# Allegro board FH8858v310_app_board_v1.1.brd (continued)
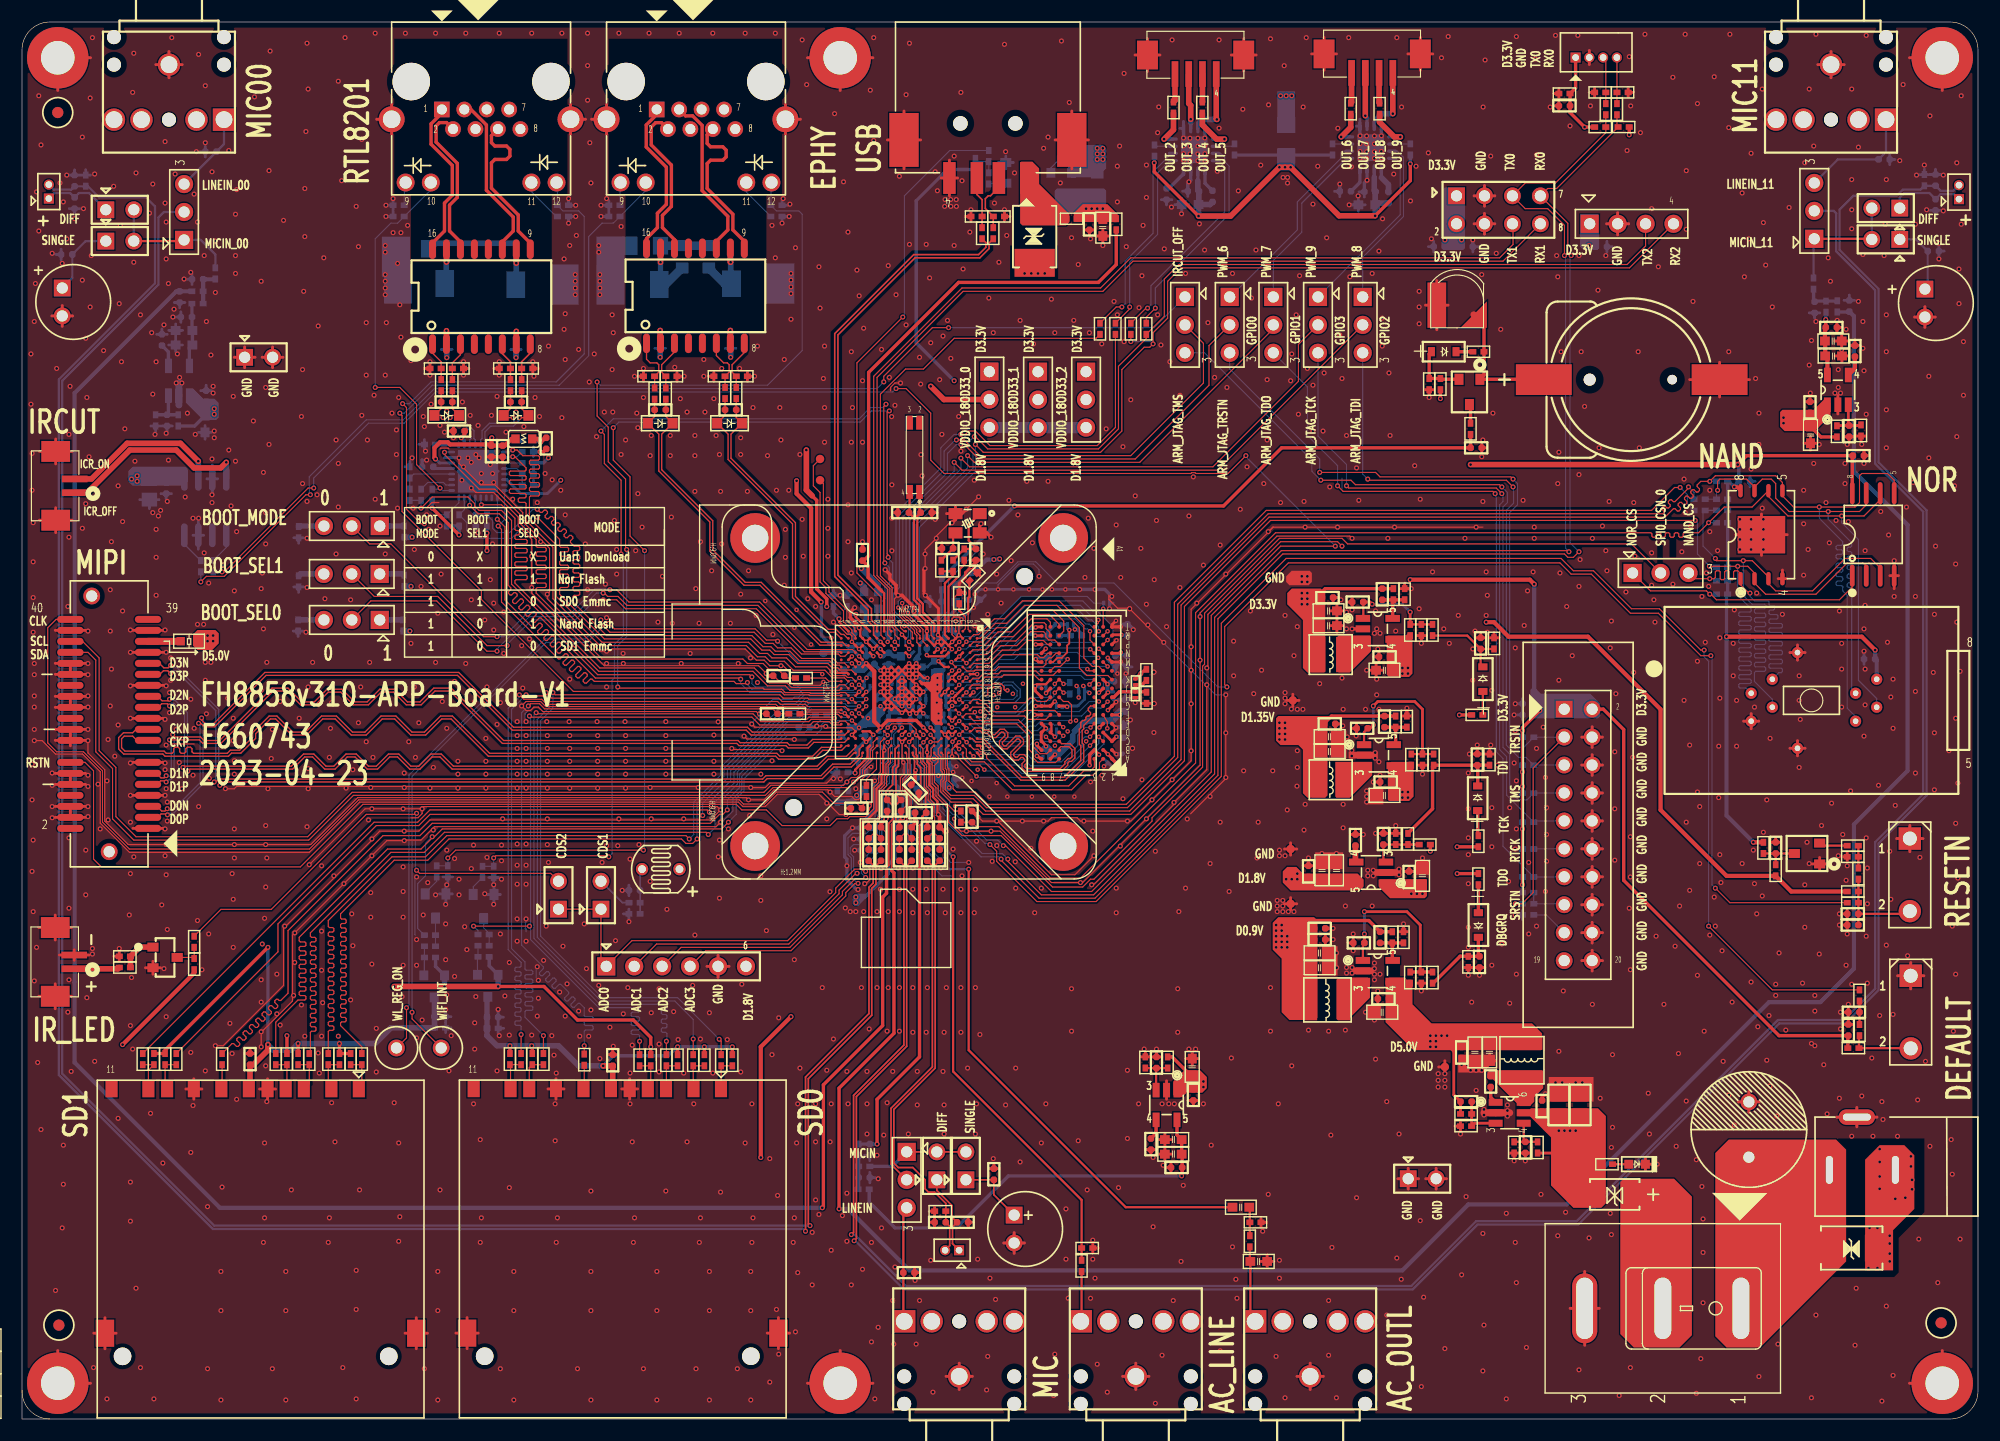
[diagram p0: board, top side]
## Routing (per net, layer and track width the routed paths; a pad name or vN(x,y) marks a point on that pad's centre or on a via; arc(x,y) is an arc through that point) (continued)
D5.0V: length 25.6
  TOP w0.254: 130.15,33.43 129.95,33.63 ; 130.15,33.43 130.15,33.73 ; 130.15,33.43 130.15,29.47 C8.1 R3.2 ; 130.15,33.43 130.33,33.61
  TOP w0.305: R123.1 v2(130.66,64.01) ; R21.1 v2(130.45,49.58) ; R105.1 104.54,32.92 106.22,31.24 C107.2 ; R18.1 v2(130.45,52.02) ; R10.1 v2(128.02,51.62) ; C120.2 163.52,89.28 R111.1
  TOP w0.381: v2(107.39,30.18) v2(107.39,30.68) 107.39,30.86 107.01,31.24 C107.2 106.48,31.14 C109.2 105.06,29.97 U11.1
  BOTTOM w0.305: R117.1 15.69,90.27 C133.2
  vias: v2(16.87,71.22) v2(16.87,70.71) v2(17.37,71.22) v2(17.37,70.71) v2(17.48,91.85) v2(17.48,91.34) v2(97.74,115.52) v2(97.74,115.01) v2(97.74,114.5) v2(98.25,115.52) v2(98.25,115.01) v2(98.25,114.5) v2(114.4,120.29) v2(114.91,120.29) v2(115.42,120.29) v2(125.48,68.28) v2(125.48,67.77) v2(125.48,57) v2(125.48,56.49) v2(125.98,68.28) v2(125.98,67.77) v2(125.98,57) v2(125.98,56.49) v2(126.29,47.75) v2(126.8,47.75) v2(127.3,47.75) v2(128.02,34.85) v2(128.02,34.34) v2(128.02,33.83) v2(128.52,34.85) v2(128.52,34.34) v2(128.52,33.83) v2(129.03,34.85) v2(129.54,34.85) v2(160.12,91.03) v2(160.12,90.53)
D12V: length 187.3
  TOP w0.102: 139.7,27.5 v2(139.7,26.21) 139.7,25.81
  TOP w0.254: R2.1 139.3,24.18 139.4,24.08
  L3 w1.524: v2(141.22,26.21) v2(140.72,26.21) v2(140.21,26.21) v2(139.7,26.21) 132.28,26.21 131.27,27.23 19.41,27.23 11.38,35.26 11.38,72.85 10.46,73.76 v2(10.46,85.24)
  vias: v2(9.96,85.45) v2(10.46,85.75)
GND: length 2517.6
  TOP w0.102: v1(77.18,59.28) 76.96,59.28 76.61,58.93 76.61,58.44 76.3,58.13 76.3,56.69 76.25,56.64 76.25,56.53 76.03,56.31 75.71,56.31 75.43,56.59 73.86,56.59 v2(73.46,57) 73.25,57.2 68.36,57.2 67.45,56.29 v2(66.04,56.29) 65.84,56.49 30.51,56.49 26.25,52.22 v2(22.15,52.22) v2(19.3,52.22) v2(13.11,52.22) 9.65,52.22 7.52,54.36 7.52,59.03 5.99,60.55 v2(5.99,61.67) ; v2(73.76,58.22) 73.56,58.22 73.15,57.81 67.97,57.81 67.56,57.4 v2(66.24,57.4) 66.14,57.51 19.51,57.51 19.29,57.29 18.5,57.29 v2(18.49,57.3) ; v2(113.28,80.67) 113.69,81.08 113.74,81.08 ; 102.89,65.01 v2(102.91,65.03) 102.89,65.03 102.87,65.06 ; v2(79.63,74.88) 79.3,74.55 79.3,72.09 79.99,71.4 v1(79.99,71.3) ; v2(65.63,62.08) 65.89,61.82 70.15,61.82 v2(70.21,61.77) ; U6.D2 84.53,71.3 84.53,72.73 84.7,72.9 ; 106.23,55.02 109.42,58.22 v2(109.42,58.32) v2(109.42,62.38) v2(109.42,65.84) ; v2(82.09,77.32) v2(82.09,78.64) 82.09,79.04 v2(83.11,80.06) 83.11,80.26 84.31,81.47 v2(84.53,81.47) ; v2(103.79,70.6) 103.75,70.6 v2(100.69,73.66) 100.63,73.71 99.59,73.71 98.79,74.51 98.79,74.9 ; 84.7,72.9 84.7,74.64 RR3.1 ; 84.7,72.9 85.19,72.9 v1(85.39,72.69) 85.39,72.29 85.16,72.05 v1(85.16,71.25) ; U6.V15 75.45,62.84 73.15,62.84 73.05,62.94 73.05,62.96 v2(73.05,62.96) 73.02,62.96 72.99,62.99 v2(72.24,62.99) 72.14,62.89 66.62,62.89 v2(66.33,63.18) ; v2(40.84,84.63) 41.25,84.23 42.88,84.23 45.11,81.99 45.11,81.18 46.33,79.96 v2(46.33,78.44) v2(46.33,75.59) 46.33,75.08 52.93,68.48 66.95,68.48 67.65,67.79 v2(67.65,67.77) ; v2(17.58,33.93) 18.29,33.93 23.77,39.42 23.77,44.6 31.8,52.63 v2(31.8,52.73) 32.51,53.44 v2(34.75,53.44) 36.07,53.44 37.08,54.46 62.59,54.46 v2(63.5,55.37) 63.2,55.68 36.37,55.68 36.17,55.47 ; v2(76.2,50.6) 76.5,50.29 76.81,50.29 77.07,50.03 77.07,49.03 76.71,48.67 v2(76.61,48.67) ; 36.17,55.47 v2(36.37,55.47) 36.37,55.04 36,54.66 35.36,54.66 ; 36.17,55.47 v2(34.65,55.47) v2(31.8,55.47) 31.19,55.47 v2(26.11,50.39) ; 38.81,88.19 38.73,88.27 38.07,88.27 38,88.19 ; v2(82.19,50.09) 81.84,50.44 81.84,53.34 C55.2 ; v1(73.86,63.7) 73.76,63.8 71.53,63.8 71.32,63.6 68.17,63.6 C178.2 v2(67.04,64.11) 66.95,64.11 66.75,64.31 47.35,64.31 46.94,64.72 46.53,64.72 46.23,64.41 45.82,64.41 v2(45.42,64.82) 45.82,65.23 47.14,65.23 47.6,64.77 68.43,64.77 68.64,64.56 71.05,64.56 71.35,64.26 74.27,64.26 74.38,64.15 v1(74.79,64.15) ; v2(64.52,60.96) 64.62,60.86 68.99,60.86 v2(69.09,60.76) ; v1(84.73,54.56) 84.73,54.05 85.34,53.44 v2(85.85,53.44) v2(88.09,53.44) 88.9,53.44 93.57,48.77 v2(96.22,48.77) 96.42,48.77 v2(102.21,54.56) 107.09,59.44 v2(107.09,68.99) v2(107.09,72.95) 107.09,73.28 114.07,80.26 120.7,80.26 v2(120.9,80.06) ; 15.65,61.37 13.61,61.37 ; C179.1 68.33,67.56 68.78,67.11 69.74,67.11 70.15,66.71 72.55,66.71 v1(72.85,67.01) ; v2(63.5,54.25) 63.09,53.85 37.49,53.85 36.27,52.63 34.8,52.63 v2(34.75,52.58) 33.17,52.58 v2(31.8,51.21) v2(29.26,48.67) v2(24.79,44.2) 24.59,43.99 24.59,38 21.74,35.15 v2(21.74,33.83) ; v1(72.75,67.72) 72.75,67.77 72.64,67.87 69.8,67.87 69.19,68.48 v2(68.99,68.48) 67.97,68.48 67.46,68.99 66.75,68.99 65.74,70 53.64,70 53.44,69.8 v2(53.14,69.8) 52.53,69.8 47.75,74.57 v2(47.75,74.98) 47.96,75.18 47.96,79.15 45.52,81.58 45.52,82.4 42.98,84.94 41.66,84.94 39.73,86.87 v2(39.73,87.38) ; C67.2 79.76,53.8 79.27,53.31 79.27,50.47 v2(79.65,50.09) ; v2(78.08,50.04) 78.53,50.49 78.53,53.35 C60.2 ; 113.74,81.08 106.27,73.61 v2(106.27,70.21) v2(106.27,68.07) v2(106.27,65.02) v2(106.27,60.74) 106.27,59.84 v2(104.55,58.12) v2(102.72,56.29) 100.79,54.36 v2(100.48,54.36) v2(96.52,54.36) 96.22,54.36 95.91,54.66 93.57,54.66 93.27,54.36 v2(92.86,54.36) v2(90.93,54.36) 88.7,54.36 ; 113.74,81.08 v2(116.64,81.08) v2(119.58,81.08) v2(124.76,81.08) v2(132.18,81.08) 132.79,81.08 ; C177.2 85.8,55.83 84.94,55.83 84.84,55.73 v1(84.82,55.73) ; v2(80.98,50.09) 81.33,50.44 81.33,53.34 C70.2 ; v2(1.12,61.67) 1.83,61.67 3.05,60.45 5.5,60.45 7.11,58.84 7.11,54.17 9.77,51.51 26.11,51.51 30.68,56.08 65.11,56.08 65.49,55.7 67.57,55.7 68.66,56.79 72.44,56.79 73.15,56.08 v2(73.15,55.98) 73.25,55.98 74.29,54.95 v2(74.89,54.95) 75.01,55.07 76.71,55.07 77.03,55.39 v2(77.03,55.76) 77.22,55.95 77.22,57.71 v1(77.52,58.01) ; v1(86.92,54.74) 87.3,54.36 v2(88.6,54.36) 88.7,54.36 ; U6.N11 79,65.12 v1(78.69,64.8) ; 88.7,54.36 93.57,49.48 95.71,49.48 v2(97.43,51.21) ; 78.94,93.47 78.94,93.78 79.35,94.18 79.65,94.18 ; v2(119.99,79.35) 119.58,79.76 114.4,79.76 107.8,73.15 107.8,68.48 107.7,68.38 v2(107.7,68.28) ; v1(80,61.55) 80,59.8 v1(80.11,59.69) 80.18,59.62 80.18,58.64 79.86,58.32 79.86,57.05 80.37,56.54 80.37,55.73 C71.2 ; v1(75.44,70.65) 75.44,71.17 75.27,71.34 75,71.34 74.1,72.24 73.96,72.24 v2(73.76,72.44) ; v2(107.7,66.75) 107.7,59.03 v2(104.72,56.05) 104.7,56.04 104.7,55.87 97.4,48.56 v2(97.23,48.56) ; 37.9,83.31 37.26,83.31 36.78,82.83 ; v1(81.28,62.18) 81.28,62.69 80.76,63.2 79.05,63.2 78.7,62.85 v1(78.69,62.85) ; v2(85.84,82.72) v2(86.95,83.84) ; v2(83.52,50.09) 83.87,50.44 83.87,53.34
  TOP w0.127: v1(84.54,60.24) 84.54,60.89 U6.D17
  TOP w0.203: 83.92,70.61 83.87,70.61 U6.F3 v1(83.24,70.65) ; 83.92,70.61 U6.E3 ; 83.92,70.61 U6.F2 ; v1(78.69,66.1) 78.69,66.1 ; v1(78.69,66.1) 78.7,66.1 U6.N9 v1(78.69,66.75) ; v1(78.69,66.1) U6.P9 ; 78.69,66.1 U6.N10 U6.P11 U6.N12 79.26,64.7 79.43,64.7 ; 78.69,66.1 78.69,66.08 U6.P10 ; U6.K7 80.97,67.73 v1(81.29,68.05) ; U6.K7 v1(80.64,68.05) U6.L6 ; U6.K7 80.95,67.72 v1(80.64,67.4) ; U6.K7 v1(81.29,67.4) ; v1(76.09,70) 76.4,70.32 U6.U3 ; v1(76.09,70) U6.U4 ; v1(76.09,70) U6.V3 v1(75.44,70.65) ; v1(78.69,68.05) 78.37,67.73 U6.P7 ; v1(78.69,68.05) U6.P6 78.35,68.37 v1(78.04,68.05) U6.P7 ; v1(78.69,68.05) 79,68.37 U6.N6 U6.M7 ; v1(78.69,68.05) U6.N7 ; v1(81.29,68.05) 81.6,68.37 U6.J6 v1(81.29,68.7) 80.97,68.38 U6.K6 ; v1(81.29,68.05) U6.J7 ; v1(81.29,68.05) U6.K6 ; U6.L6 U6.M7 ; U6.L6 80.32,68.38 v1(80.64,68.7) U6.K6 ; U6.M7 79.33,67.38 ; U6.N8 v1(78.69,67.4) ; U6.N8 79.33,67.38 ; U6.N8 78.7,66.75 v1(78.69,66.75) ; v1(78.69,67.4) 79,67.72 U6.N7 ; v1(78.69,67.4) U6.P7 ; v1(78.69,67.4) 78.69,67.38 U6.P8 ; U6.V16 v1(75.44,62.2) 75.45,62.2 U6.V15 ; U6.E9 84.22,66.41 v1(83.9,66.09) U6.F10 ; v2(76.2,50.6) 76.4,50.8 76.4,54.2 v2(76.56,54.36) 76.71,54.36 77.67,55.32 77.67,57.3 78.13,57.76 78.13,58.57 78.28,58.72 78.28,60.68 v1(78.38,60.78) 78.37,60.8 U6.P17 ; U6.L2 v1(79.99,71.3) ; U6.J7 81.98,67.36 v1(82.3,67.36) ; U6.J7 81.6,67.72 v1(81.29,67.4) ; v1(81.29,66.75) 80.97,66.43 U6.K9 v1(81.29,66.1) ; v1(81.29,66.75) U6.J9 ; v1(81.29,66.75) U6.K8 ; U6.C2 85.23,71.25 v1(85.16,71.25) U6.D2 v1(84.55,70.64) U6.E3 ; U6.P9 v1(78.04,66.75) 78.35,67.07 U6.P8 ; U6.P9 78.35,66.42 v1(78.04,66.1) U6.P10 ; U6.P9 78.69,66.73 v1(78.69,66.75) ; v2(76.1,71.93) 76.1,71.93 76.2,71.83 76.2,71.19 U6.U2 v1(76.74,70.65) ; v1(84.54,67.39) 84.87,67.72 U6.D7 84.87,67.72 v1(85.19,68.04) ; v1(84.54,67.39) 84.86,67.07 U6.D8 ; v1(84.54,67.39) 84.22,67.07 U6.E8 ; v1(81.29,66.1) U6.J10 81.62,65.78 v1(81.94,66.1) U6.J9 ; v1(81.29,66.1) 81.6,66.42 U6.J9 ; 79.43,64.7 U6.M12 79.94,64.2 v1(79.99,64.2) 80.05,64.2 U6.L12 80.33,64.47 v1(80.7,64.1) 80.7,64.19 U6.K12 v1(81.29,64.15) 81.6,64.47 U6.J12 ; 79.43,64.7 U6.N11 ; U6.H17 v1(82.27,60.6) 82.3,60.58 82.3,59.74 82.48,59.56 82.48,57.63 82.82,57.29 82.82,56.54 83.21,56.15 83.21,55.04 v2(83.3,54.95) ; U6.L7 U6.M6 U6.N7 ; U6.L7 v1(80.64,67.4) ; U6.L7 U6.K6 ; U6.E3 84.53,70 v1(84.53,69.99) ; v1(82.26,71.63) 82.26,70.98 U6.H2 U6.G3 82.92,70.33 v1(83.24,70.65) ; v1(76.74,70.65) U6.T3 v1(77.39,70) 77.7,70.32 U6.R3 ; v1(76.74,70.65) 77.05,70.97 U6.T2 ; v1(87.27,61.01) 87.27,61.01 87.07,61.22 U6.A17 ; v1(78.69,66.75) 78.69,66.75 U6.P8 ; U6.P8 v1(78.04,67.4) 78.35,67.72 U6.P7 ; v1(73.95,67.93) 74.05,67.83 75,67.83 U6.W7 ; 79.33,67.38 79.33,67.4 U6.N7 ; U6.A1 86.82,71.9 v2(86.6,72.11) ; U6.J12 v1(81.94,64.15) ; U6.J12 81.62,64.48 v1(81.94,64.8) U6.J11 ; v1(83.9,62.2) 84.22,61.88 U6.E16 83.9,62.19 v1(83.9,62.2) ; v1(83.9,62.2) 83.91,62.2 U6.E15 84.53,62.2 v1(84.56,62.2) 84.56,62.2 U6.D15 ; v1(83.9,62.2) 83.88,62.2 U6.F15 ; U6.C12 v1(85.85,64.8) ; U6.D13 v1(84.55,63.49) U6.E13 ; U6.W5 75.43,69.33 v1(75.44,69.33) ; U6.P10 U6.N11 ; v1(85.85,62.8) 85.85,62.84 U6.C14 ; U6.V10 76.09,66.08 v1(76.09,66.1) ; U6.K8 80.97,67.08 v1(81.29,67.4) ; U6.K8 v1(80.64,67.4) ; 84.87,61.22 U6.D17 ; 84.87,61.22 v1(85.18,60.9) ; 84.87,61.22 v1(85.18,61.53) ; U6.C4 85.19,69.34 v1(85.19,69.32) 85.18,69.3 85.16,69.3 U6.D5 ; v1(81.28,62.18) 81.31,62.18 U6.J16 ; v1(87.17,60.3) 87.09,60.3 U6.A18 ; U6.N11 U6.P12 ; v1(93.89,62.01) 93.49,62.41 UR1.D8 93.57,62.51 93.57,63.11 93.48,63.21 UR1.E8 ; v1(83.24,70.65) 83.55,70.97 U6.F2 ; U6.B10 86.47,66.07 v1(86.49,66.07) ; U6.T16 76.75,61.55 v1(76.74,61.55) 76.74,61.55 U6.U16 ; U6.D11 v1(84.55,65.44) ; v1(84.55,65.44) U6.E11 ; v1(84.55,65.44) U6.D10 U6.C9 ; U6.M16 79.99,61.55 v1(80,61.55) U6.L16 ; v1(83.26,71.27) U6.F2 ; U6.B7 v1(86.82,67.72) ; U6.W13 v1(74.79,64.15)
  TOP w0.254: 146.98,23.17 D3.K ; D3.K 147.57,23.75 ; D3.K 147.57,22.58 ; D3.K 148.15,23.17 ; 161.39,60.29 U14.10 ; U14.10 161.39,61.67 ; U14.10 162.08,60.98 ; U14.10 160.71,60.98 ; J2.3 143.37,10.06 ; J2.3 140.73,10.06 ; J2.3 142.05,13.41 ; J2.3 142.05,6.71 ; C20.1 120.91,74.75 ; C20.1 120.91,73.79 ; C20.1 120.43,74.27 ; 166.79,26.57 J1.3 ; J1.3 166.79,28.32 ; J1.3 164.96,27.44 ; J1.3 168.62,27.44 ; 1.53,44.68 J13.CG2 ; J13.CG2 3.02,43.55 ; J13.CG2 3.02,45.81 ; J13.CG2 4.51,44.68 ; 142.72,61.05 U18.4 ; U18.4 142.72,62.93 ; U18.4 141.78,61.99 ; U18.4 143.66,61.99 ; D14.A 86.26,109.75 ; D14.A 86.26,108.89 ; D14.A 85.76,109.32 ; C26.1 123.45,58.39 ; C26.1 122.97,57.91 ; C26.1 123.45,57.43 ; D9.A 146,121.03 ; D9.A 146.5,120.6 ; D9.A 146,120.17 ; J17.14 70.75,118.16 ; J17.14 69.39,116.8 ; J17.14 69.39,119.52 ; 84.85,82.99 U7.2 84.04,82.31 ; 151.59,94.49 BT1.2 ; BT1.2 154.31,92.91 ; BT1.2 157.03,94.49 ; BT1.2 154.31,96.06 ; 128.78,32 T2.1 ; T2.1 129.34,32.56 ; T2.1 129.34,31.44 ; 165.91,50.68 R173.1 ; R173.1 165.41,51.11 ; R173.1 165.91,51.54 ; J3.6 5.77,55.7 ; J3.6 3.02,55.7 ; J3.6 4.39,55.2 ; 123.09,67.49 C11.1 ; C11.1 123.71,68.07 ; C11.1 122.47,68.07 ; C11.1 123.09,68.66 ; J18.14 49.86,119.52 ; J18.14 51.22,118.16 ; J18.14 49.86,116.8 ; J14.5 64.27,41.15 ; J14.5 63.27,42.15 ; J14.5 63.27,40.15 ; J14.5 62.26,41.15 ; C116.2 86.49,17.88 ; C116.2 86.01,17.4 ; C116.2 86.01,18.36 ; 100.05,3.88 CN4.5 ; CN4.5 101.24,2.68 ; CN4.5 102.44,3.88 ; CN4.5 101.24,5.07 ; 10.08,59.7 J3.13 12.83,59.7 ; 65.94,94.36 D24.K ; D24.K 65.94,95.23 ; D24.K 66.43,94.79 ; U14.4 157.87,63.44 ; U14.4 157.18,62.75 ; U14.4 156.5,63.44 ; U14.4 157.18,64.13 ; U14.9 162.08,69.68 ; U14.9 161.39,68.99 ; U14.9 161.39,70.37 ; U14.9 160.71,69.68 ; 11.9,40.44 Q3.2 ; Q3.2 11.9,41.61 ; Q3.2 11.22,41.02 ; Q3.2 12.59,41.02 ; 82.95,17.4 C117.2 ; C117.2 82.95,18.36 ; C117.2 82.48,17.88 ; RR2.1 87.19,77.26 ; RR2.1 86.53,77.22 ; RR2.1 87.14,76.61 ; 79.13,82.4 C81.1 ; C81.1 79.61,82.88 ; C81.1 79.61,81.92 ; C118.1 103.6,32.92 ; C118.1 103.12,33.39 ; C118.1 102.65,32.92 ; 159.64,76.39 U10.4 ; U10.4 160.02,77.18 ; U10.4 160.4,76.39 ; J21.CG2 81.69,116.28 ; J21.CG2 80.18,113.65 ; J21.CG2 78.66,116.28 ; J21.CG2 80.18,118.91 ; 120.73,53.14 C24.2 ; C24.2 121.69,53.14 ; C24.2 121.21,53.62 ; 115.9,3.88 CN5.5 ; CN5.5 117.09,5.07 ; CN5.5 118.29,3.88 ; CN5.5 117.09,2.68 ; 3.06,86.83 J15.CG2 ; J15.CG2 1.58,87.96 ; J15.CG2 4.55,87.96 ; J15.CG2 3.06,89.09 ; 75.34,55.05 C52.1 74.86,55.52 ; 131.04,41.05 R22.2 ; R22.2 131.91,41.05 ; R22.2 131.47,40.55 ; 105.79,32.77 C107.1 ; C107.1 106.38,33.39 ; C107.1 106.38,32.14 ; C107.1 106.96,32.77 ; 119.52,72.88 C14.2 ; C14.2 119.52,74.05 ; C14.2 120.15,73.47 ; C14.2 118.9,73.47 ; C124.2 166.03,98 ; C124.2 165.41,97.42 ; C124.2 165.41,98.59 ; C124.2 164.79,98 ; UR1.F9 v1(92.05,64.01) ; J5.8 15.62,30.93 ; J5.8 15.62,29.07 ; J5.8 16.35,30 ; J5.8 14.89,30 ; C147.2 113.81,14.33 ; C147.2 113.18,13.74 ; C147.2 112.56,14.33 ; C147.2 113.18,14.91 ; UR1.E1 v1(99.45,62.84) 99.45,62.79 UR1.D1 ; 71.4,3.25 T20.1 ; T20.1 77.34,3.25 ; T20.1 74.37,6.22 ; U18.14 142.72,50.23 ; U18.14 142.72,48.35 ; U18.14 143.66,49.29 ; U18.14 141.78,49.29 ; J20.CG2 127.11,125.59 ; J20.CG2 127.11,122.61 ; J20.CG2 125.98,124.1 ; J20.CG2 128.24,124.1 ; 165.06,93.05 U12.2 165.06,91.37 ; 1.58,81.71 J15.CG1 ; J15.CG1 4.55,81.71 ; J15.CG1 3.06,82.84 ; J15.CG1 3.06,80.58 ; D13.K 89.31,109.75 ; D13.K 89.31,108.89 ; D13.K 89.8,109.32 ; 51.78,118.16 J17.13 ; J17.13 53.13,119.52 ; J17.13 53.13,116.8 ; J3.18 5.77,61.7 ; J3.18 4.39,61.2 ; J3.18 4.39,62.19 ; J3.18 3.02,61.7 ; J5.5 22.32,30.93 ; J5.5 23.05,30 ; J5.5 22.32,29.07 ; J5.5 21.59,30 ; R106.1 102.54,32.92 ; R106.1 102.11,33.42 ; R106.1 101.68,32.92 ; 132.94,110.26 U15.3 ; U15.3 132.94,112.14 ; U15.3 133.88,111.2 ; U15.3 132,111.2 ; 81.99,75.29 81.99,75.01 v2(82.12,74.88) 83.31,73.69 83.31,71.32 v1(83.26,71.27) ; 84.3,111.19 J21.4 ; J21.4 84.3,114.44 ; J21.4 83.55,112.82 ; J21.4 85.05,112.82 ; C122.1 162.53,92.96 ; C122.1 163.01,92.48 ; C122.1 162.05,92.48 ; 171.68,39.1 S1.1 ; S1.1 172.88,40.29 ; S1.1 171.68,41.49 ; S1.1 170.49,40.29 ; 131.8,60.45 C32.2 ; C32.2 132.76,60.45 ; C32.2 132.28,60.93 ; C18.1 126.09,50.26 ; C18.1 125.61,49.78 ; C18.1 126.56,49.78 ; T6.1 115.88,51.82 ; T6.1 115.32,51.26 ; T6.1 115.32,52.38 ; T6.1 114.76,51.82 ; D21.K 59.54,95.23 ; D21.K 60.03,94.79 ; D21.K 59.54,94.36 ; 127.63,39.62 R25.1 126.77,39.62 ; C158.2 97.51,108.1 ; C158.2 96.55,108.1 ; C158.2 97.03,107.62 ; 48.54,29.08 J4.8 ; J4.8 47.81,30.01 ; J4.8 49.27,30.01 ; J4.8 48.54,30.94 ; 39.44,7.81 J4.15 ; J4.15 40.46,6.4 ; J4.15 41.47,7.81 ; J4.15 40.46,9.22 ; 103.26,25.4 C110.2 ; C110.2 103.89,24.82 ; C110.2 104.51,25.4 ; C110.2 103.89,25.98 ; C128.2 167.09,97.59 ; C128.2 166.61,98.07 ; C128.2 166.14,97.59 ; 165.54,35.87 C160.2 ; C160.2 166.49,35.87 ; C160.2 166.01,36.35 ; v1(93.88,65.23) 93.48,64.83 UR1.G8 UR1.G9 v1(92.15,64.81) ; v1(98.71,64.44) UR1.G1 v1(99.45,65.19) ; 3.02,58.7 J3.12 ; J3.12 4.39,58.2 ; J3.12 5.77,58.7 ; 103.26,24.08 C111.2 ; C111.2 103.89,24.66 ; C111.2 104.51,24.08 ; C111.2 103.89,23.49 ; U18.10 143.66,54.37 ; U18.10 142.72,53.43 ; U18.10 141.78,54.37 ; U18.10 142.72,55.31 ; 141.78,46.75 U18.16 ; U18.16 142.72,47.69 ; U18.16 143.66,46.75 ; U18.16 142.72,45.81 ; J18.13 33.6,119.52 ; J18.13 32.24,118.16 ; J18.13 33.6,116.8 ; 133.4,33.19 C6.2 133.99,32.56 ; 55.99,94.79 D18.K ; D18.K 56.49,95.23 ; D18.K 56.49,94.36 ; 6.22,123.75 T17.1 3.25,120.78 ; C102.2 132.69,88.77 ; C102.2 132.69,87.81 ; C102.2 133.17,88.29 ; 8.35,42.06 R134.2 ; R134.2 8.84,42.49 ; R134.2 8.84,41.63 ; R4.1 136.07,24.18 ; R4.1 135.2,24.18 ; R4.1 135.63,23.68 ; 128.34,93.57 R63.1 127.48,93.57 ; C23.1 123.75,53.71 ; C23.1 124.23,53.24 ; C23.1 123.27,53.24 ; C15.2 120.15,72.12 ; C15.2 119.52,72.71 ; C15.2 119.52,71.54 ; C15.2 118.9,72.12 ; J4.16 68.76,9.22 ; J4.16 67.74,7.81 ; J4.16 69.77,7.81 ; J4.16 68.76,6.4 ; 83.14,79.15 C80.1 ; C80.1 83.62,78.67 ; C80.1 83.62,79.62 ; UR1.B9 92.25,61.24 v1(92.25,61.38) ; 104.04,30.74 U11.2 104.04,29.06 ; T8.1 116.08,65.33 ; T8.1 115.52,65.89 ; T8.1 115.52,64.77 ; T8.1 114.96,65.33 ; 12.83,66.7 J3.27 10.08,66.7 ; 35.84,6.39 J5.16 ; J5.16 35.84,9.21 ; J5.16 34.82,7.8 ; J5.16 36.86,7.8 ; 167.44,87.1 C100.1 ; C100.1 167.92,87.58 ; C100.1 167.44,88.06 ; 166.01,36.5 C161.2 ; C161.2 165.53,36.98 ; C161.2 166.01,37.46 ; BT2.2 129.63,101.26 ; BT2.2 128.61,99.02 ; BT2.2 128.61,103.49 ; BT2.2 127.58,101.26 ; C10.1 137.13,24.18 ; C10.1 136.65,23.71 ; C10.1 136.17,24.18 ; 62.89,94.36 D22.K ; D22.K 62.39,94.79 ; D22.K 62.89,95.23 ; v1(97.94,62.87) 97.94,62.87 UR1.E2 ; J20.CG1 119.49,124.1 ; J20.CG1 118.36,122.61 ; J20.CG1 117.23,124.1 ; J20.CG1 118.36,125.59 ; JP5.2 23.72,96.52 ; JP5.2 21.84,96.52 ; JP5.2 22.78,95.58 ; JP5.2 22.78,97.46 ; U22.1 164.09,50.46 ; U22.1 163.41,49.87 ; U22.1 163.41,51.04 ; U22.1 162.72,50.46 ; 141.78,56.91 U18.8 ; U18.8 142.72,57.85 ; U18.8 143.66,56.91 ; U18.8 142.72,55.97 ; J3.20 5.77,62.7 ; J3.20 4.39,62.2 ; J3.20 3.02,62.7 ; 39.22,90.29 C174.2 38.74,89.81 ; 142.47,123.14 J12.2 142.47,124.41 ; J3.4 5.77,54.7 ; J3.4 3.02,54.7 ; J3.4 4.39,55.19 ; 85.19,2.68 CN1.5 ; CN1.5 85.19,5.07 ; CN1.5 86.39,3.88 ; CN1.5 84,3.88 ; JP4.2 129.49,21.84 ; JP4.2 128.54,20.9 ; JP4.2 127.6,21.84 ; JP4.2 128.54,22.78 ; J21.CG1 96.94,116.28 ; J21.CG1 93.91,116.28 ; J21.CG1 95.43,113.65 ; J21.CG1 95.43,118.91 ; 76.96,54.28 C64.2 76.48,53.8 ; S2.1 172.8,52.77 ; S2.1 171.6,53.96 ; S2.1 170.41,52.77 ; S2.1 171.6,51.57 ; 10.08,63.7 J3.21 12.83,63.7 ; D10.A 142.95,121.03 ; D10.A 142.46,120.6 ; D10.A 142.95,120.17 ; JP5.1 20.24,97.46 ; JP5.1 21.18,96.52 ; JP5.1 19.3,96.52 ; JP5.1 20.24,95.58 ; C172.2 43.15,87.48 ; C172.2 42.67,87 ; C172.2 42.19,87.48 ; J3.10 4.39,58.19 ; J3.10 3.02,57.7 ; J3.10 5.77,57.7 ; C200.2 132.59,71.5 ; C200.2 133.07,71.02 ; C200.2 132.11,71.02 ; J13.CG1 3.02,39.56 ; J13.CG1 3.02,37.3 ; J13.CG1 4.51,38.43 ; J13.CG1 1.53,38.43 ; U9.4 170.18,77.85 ; U9.4 169.79,76.67 ; U9.4 170.57,76.67 ; U9.4 170.18,75.48 ; 12.83,71.7 J3.37 10.08,71.7 ; UR1.M9 92.41,68.81 92.15,69.07 v1(92.15,69.09) ; v1(92.15,70.41) UR1.P9 ; v1(99.49,70.79) 99.45,70.79 UR1.P1 ; C162.2 159.89,52.43 ; C162.2 159.41,52.91 ; C162.2 158.93,52.43 ; C108.2 88.82,22.76 ; C108.2 87.86,22.76 ; C108.2 88.34,23.24 ; J4.5 55.24,30.94 ; J4.5 55.24,29.08 ; J4.5 55.97,30.01 ; J4.5 54.51,30.01 ; 20.25,33.23 C105.2 ; C105.2 21.2,33.23 ; C105.2 20.73,33.7 ; 103.96,22.86 C112.2 ; C112.2 104.44,22.38 ; C112.2 104.44,23.34 ; 101.6,65.58 CR15.2 100.81,65.58 ; R19.2 133.83,60.45 ; R19.2 132.97,60.45 ; R19.2 133.4,60.95 ; v1(98.69,69.2) UR1.M1 99.85,68.81 v1(99.87,68.83) ; 6.22,3.25 T21.1 3.25,6.22 ; 125.68,75.99 R9.1 125.25,75.49 ; 119.66,74.68 C16.2 119.18,74.2 ; 43.69,87 C173.2 43.21,87.48 ; R126.2 133.81,71.51 ; R126.2 133.37,71.02 ; R126.2 134.24,71.02 ; CN3.5 13.36,124.32 ; CN3.5 13.36,121.93 ; CN3.5 12.17,123.12 ; CN3.5 14.55,123.12 ; U18.20 142.72,42.61 ; U18.20 142.72,40.73 ; U18.20 143.66,41.67 ; U18.20 141.78,41.67 ; 126.87,59.43 R17.1 ; R17.1 127.73,59.43 ; R17.1 127.3,58.94 ; 12.83,56.7 J3.7 10.08,56.7 ; J10.2 3.66,101.22 ; J10.2 2.72,100.28 ; J10.2 4.6,100.28 ; J10.2 3.66,99.34 ; 115.32,46.28 T10.1 ; T10.1 115.32,47.4 ; T10.1 114.76,46.84 ; T10.1 115.88,46.84 ; 132,108.66 U15.4 ; U15.4 132.94,107.72 ; U15.4 133.88,108.66 ; U15.4 132.94,109.6 ; D8.K 139.7,120.93 ; D8.K 139.2,120.5 ; D8.K 139.7,120.07 ; 165.61,89.3 C131.1 ; C131.1 166.56,89.3 ; C131.1 166.09,88.82 ; C123.2 166.06,96.64 ; C123.2 165.43,96.05 ; C123.2 164.81,96.64 ; C123.2 165.43,97.22 ; D28.K 43.38,95.94 ; D28.K 43.38,95.07 ; D28.K 42.89,95.5 ; C125.2 165.46,99.24 ; C125.2 164.98,99.72 ; C125.2 164.98,98.76 ; J5.15 7.54,9.21 ; J5.15 7.54,6.39 ; J5.15 6.52,7.8 ; J5.15 8.56,7.8 ; 106,28.96 C109.1 ; C109.1 106.48,28.48 ; C109.1 106.96,28.96 ; D27.K 40.63,95.5 ; D27.K 40.13,95.07 ; D27.K 40.13,95.94 ; 109.92,124 J19.CG2 ; J19.CG2 111.05,122.51 ; J19.CG2 112.19,124 ; J19.CG2 111.05,125.48 ; 123.24,38.68 C35.1 123.24,37.72 ; 121.01,42.8 C41.1 ; C41.1 120.53,43.28 ; C41.1 121.01,43.76 ; U18.6 143.66,59.45 ; U18.6 142.72,60.39 ; U18.6 142.72,58.51 ; U18.6 141.78,59.45 ; C159.2 98.83,107.54 ; C159.2 98.25,106.92 ; C159.2 97.66,107.54 ; C159.2 98.25,108.17 ; 117.42,50.29 C22.2 116.46,50.29 ; CN2.5 165.63,123.12 ; CN2.5 164.44,124.32 ; CN2.5 163.25,123.12 ; CN2.5 164.44,121.93 ; JP4.1 126.95,21.84 ; JP4.1 126,20.9 ; JP4.1 125.06,21.84 ; JP4.1 126,22.78 ; v1(93.08,65.99) 93.08,66.02 UR1.J8 ; 5.77,71.7 J3.38 3.02,71.7 ; C31.1 121.31,63.27 ; C31.1 121.31,62.31 ; C31.1 120.83,62.79 ; 156.97,27.89 C3.2 ; C3.2 156.03,28.83 ; C3.2 157.91,28.83 ; C3.2 156.97,29.77 ; J3.30 5.77,67.7 ; J3.30 4.39,68.19 ; J3.30 3.02,67.7 ; v2(81.05,73.44) 81.05,73.43 81.08,73.41 81.08,73.15 82.26,71.97 v1(82.26,71.63) ; 119.86,63.2 C30.2 119.38,62.72 ; C103.2 54.17,33.12 ; C103.2 53.22,33.12 ; C103.2 53.7,33.6 ; 130.26,26.62 R5.1 ; R5.1 130.76,26.19 ; R5.1 130.76,27.05 ; C12.1 123.34,69.77 ; C12.1 122.87,69.29 ; C12.1 123.34,68.81 ; 142.72,50.89 U18.12 ; U18.12 142.72,52.77 ; U18.12 141.78,51.83 ; U18.12 143.66,51.83 ; C33.2 132.96,41.04 ; C33.2 132.49,40.57 ; C33.2 132.01,41.04 ; 167.17,88.86 R112.1 ; R112.1 167.6,89.36 ; R112.1 166.74,89.36 ; 89.25,16 J6.2 ; J6.2 91.13,16 ; J6.2 90.19,16.94 ; J6.2 90.19,15.06 ; 144.04,108.66 J16.2 ; J16.2 145.04,107.65 ; J16.2 146.05,108.66 ; J16.2 145.04,109.66 ; C120.1 163.16,88.7 ; C120.1 161.99,88.7 ; C120.1 162.57,88.08 ; C120.1 162.57,89.33 ; v1(99.48,60.43) 99.46,60.43 UR1.B1 ; 36.59,95.5 D25.K ; D25.K 37.08,95.07 ; D25.K 37.08,95.94 ; C115.2 103.09,24.48 ; C115.2 102.14,24.48 ; C115.2 102.62,24 ; J3.24 5.77,64.7 ; J3.24 3.02,64.7 ; J3.24 4.39,65.19 ; 4.39,68.2 J3.32 ; J3.32 3.02,68.7 ; J3.32 5.77,68.7 ; 174.55,120.78 T19.1 171.58,123.75 ; 125.3,53.24 R11.1 124.44,53.24 ; C119.2 81.61,13.31 ; C119.2 81.13,13.79 ; C119.2 81.13,12.83 ; 155.78,80.39 U10.9 ; U10.9 160.45,80.39 ; U10.9 158.12,82.27 ; U10.9 158.12,78.51 ; 112.63,17.45 RF2.1 ; RF2.1 113.12,17.88 ; RF2.1 112.63,18.31 ; D29.K 46.93,95.5 ; D29.K 46.43,95.07 ; D29.K 46.43,95.94 ; 118.47,44.06 C39.2 118.47,43.11 ; UR1.J2 98.27,66.41 v1(97.89,66.03) ; 165.43,45.92 C163.2 ; C163.2 165.91,45.44 ; C163.2 165.91,46.4 ; UR1.B3 v1(97.9,60.4) ; J8.2 172.97,101.12 ; J8.2 172.03,100.18 ; J8.2 172.97,99.24 ; J8.2 173.91,100.18 ; 12.83,69.7 J3.33 10.08,69.7 ; 82.7,81.92 C79.1 ; C79.1 83.18,82.4 ; C79.1 82.7,82.88 ; UR1.T9 92.19,72.01 v1(92.14,71.97) ; 126.77,71.22 R8.1 ; R8.1 127.63,71.22 ; R8.1 127.2,70.72 ; v1(99.44,72.56) 99.08,72.2 UR1.T1 ; 86.24,78.08 C78.1 87.19,78.08 ; 4.39,65.2 J3.26 ; J3.26 3.02,65.7 ; J3.26 5.77,65.7 ; 101.17,124 J19.CG1 ; J19.CG1 102.31,125.48 ; J19.CG1 102.31,122.51 ; J19.CG1 103.44,124 ; U18.18 142.72,45.15 ; U18.18 141.78,44.21 ; U18.18 143.66,44.21 ; U18.18 142.72,43.27 ; 125.45,63.91 R16.1 126.32,63.91 ; J13.2 6.1,42.18 ; J13.2 3.4,42.18 ; J13.2 4.75,42.66 ; J13.2 4.75,41.7 ; R107.2 82.96,19.33 ; R107.2 82.46,18.9 ; R107.2 82.96,18.46 ; v2(86.3,77.48) 85.75,76.94 85.75,76.51 85.19,75.95 RR3.1 ; C148.2 139.7,119.86 ; C148.2 139.22,119.38 ; C148.2 139.7,118.9 ; v1(92.25,60.27) 92.33,60.27 92.59,60.01 UR1.A9 ; 125.15,44.3 R26.1 126.01,44.3 ; T18.1 77.34,123.75 ; T18.1 74.37,120.78 ; T18.1 71.4,123.75 ; R121.1 97.34,15.97 ; R121.1 97.34,15.11 ; R121.1 97.83,15.54 ; 165.91,44.43 C164.2 ; C164.2 165.91,45.39 ; C164.2 165.43,44.91 ; 10.08,53.7 J3.1 12.83,53.7 ; 101.79,65.06 RR9.1 102.89,65.06 v2(102.91,65.03) ; 171.58,3.25 T16.1 174.55,6.22
  TOP w0.305: v2(81.33,56.39) 81.53,56.59 C74.2 ; C71.2 79.91,54.79 v2(80.06,54.64) 80.04,54.64 79.76,54.36 C67.2 ; C171.2 47.4,87.94 v2(47.09,87.94) ; v2(75.69,73.76) 75.29,73.36 75.29,72.85 76.1,72.03 v2(76.1,71.93) ; C19.2 v2(118.16,51.41) ; C22.2 v2(116.94,51) ; RR2.1 86.84,76.94 v2(86.3,77.48) 86.72,77.9 C78.1 ; v2(88.09,80.16) 87.69,80.56 U7.4 87.05,81.28 v2(87.17,81.4) ; C2.2 138.18,29.26 v2(138.48,29.57) 139.64,29.57 C4.2 ; C60.2 78.08,54.1 v2(78.54,54.56) 78.64,54.66 C66.2 ; C21.2 v2(119.48,51.41) ; v2(78.46,77.21) 78.89,76.77 78.89,76.35 79.45,75.79 79.45,75.06 v2(79.63,74.88) 79.99,74.88 81.05,73.82 v2(81.05,73.44) ; v1(86.92,54.74) 86.72,54.94 86.72,54.94 86.62,55.04 86.62,55.04 86.39,55.27 C177.2 ; C174.2 v2(39.22,89.2) ; R63.1 v2(127.91,92.86) ; C40.2 v2(119.18,44.6) ; R9.1 v2(126.29,75.49) ; R16.1 v2(125.88,64.62) ; 83.87,53.34 83.87,53.4 83.46,53.8 C58.2 83.41,54.76 83.31,54.87 83.31,54.93 v2(83.3,54.95) ; C55.2 82.3,54.39 v2(82.35,54.44) ; v1(99.88,72.01) UR1.T1 ; C39.2 v2(119.18,43.59) ; C59.2 81.18,54.46 v2(81.33,54.31) 80.87,53.85 C70.2 ; v1(97.05,59.44) 97.05,60.38 UR1.B3 ; v1(85.7,75.08) 85.65,75.14 RR3.1 ; R25.1 v2(127.2,38.92) ; v2(67.65,67.77) 67.85,67.56 C179.1 ; C38.2 v2(119.5,41.03) ; v2(84.53,81.47) 84.85,81.79 U7.2 85.43,82.31 v2(85.84,82.72) ; CR15.2 101.2,65.14 v2(101.19,65.13) ; C37.2 v2(119.48,42.37) ; 81.99,75.29 81.99,77.21 v2(82.09,77.32) ; C196.2 v2(76.4,79.76) ; R26.1 v2(125.58,45.01) ; R11.1 v2(124.87,53.95) ; U2.2 v2(120.9,71.83)
  TOP w0.381: v2(122.83,49.89) 123.04,49.68 U3.2 124.87,49.68 v2(125.17,49.99) v2(125.17,49.48) ; C17.1 v2(127.3,51)
  TOP w0.635: 135.23,27.84 U1.2 132.89,27.84
  L2 w0.102: v1(77.52,58.01) 77.52,58.93 77.18,59.26 v1(77.18,59.28)
  L2 w0.254: 126,20.9 JP4.1 ; JP4.1 125.06,21.84 ; JP4.1 126.95,21.84 ; JP4.1 126,22.78 ; 19.3,96.52 JP5.1 ; JP5.1 20.24,97.46 ; JP5.1 20.24,95.58 ; JP5.1 21.18,96.52 ; U18.8 142.72,57.85 ; U18.8 143.66,56.91 ; U18.8 142.72,55.97 ; U18.8 141.78,56.91 ; 71.4,123.75 T18.1 ; T18.1 77.34,123.75 ; T18.1 74.37,120.78 ; C3.2 156.97,29.77 ; C3.2 156.03,28.83 ; C3.2 156.97,27.89 ; C3.2 157.91,28.83 ; 142.72,43.27 U18.18 ; U18.18 142.72,45.15 ; U18.18 143.66,44.21 ; U18.18 141.78,44.21 ; JP4.2 128.54,22.78 ; JP4.2 129.49,21.84 ; JP4.2 128.54,20.9 ; JP4.2 127.6,21.84 ; J18.13 33.6,119.52 ; J18.13 32.24,118.16 ; J18.13 33.6,116.8 ; U15.3 132.94,112.14 ; U15.3 132,111.2 ; U15.3 132.94,110.26 ; U15.3 133.88,111.2 ; CN4.5 102.44,3.88 ; CN4.5 100.05,3.88 ; CN4.5 101.24,5.07 ; CN4.5 101.24,2.68 ; 142.72,53.43 U18.10 ; U18.10 142.72,55.31 ; U18.10 143.66,54.37 ; U18.10 141.78,54.37 ; 142.47,124.41 J12.2 142.47,123.14 ; U18.20 142.72,42.61 ; U18.20 143.66,41.67 ; U18.20 141.78,41.67 ; U18.20 142.72,40.73 ; 170.29,24.47 170.29,24.21 ; 164.44,121.93 CN2.5 ; CN2.5 163.25,123.12 ; CN2.5 164.44,124.32 ; CN2.5 165.63,123.12 ; 141.78,46.75 U18.16 ; U18.16 142.72,47.69 ; U18.16 142.72,45.81 ; U18.16 143.66,46.75 ; J14.5 63.27,42.15 ; J14.5 62.26,41.15 ; J14.5 64.27,41.15 ; J14.5 63.27,40.15 ; 142.72,58.51 U18.6 ; U18.6 143.66,59.45 ; U18.6 141.78,59.45 ; U18.6 142.72,60.39 ; U14.9 161.39,70.37 ; U14.9 160.71,69.68 ; U14.9 162.08,69.68 ; U14.9 161.39,68.99 ; 13.36,121.93 CN3.5 ; CN3.5 13.36,124.32 ; CN3.5 14.55,123.12 ; CN3.5 12.17,123.12 ; 161.39,60.29 U14.10 ; U14.10 160.71,60.98 ; U14.10 161.39,61.67 ; U14.10 162.08,60.98 ; 115.9,3.88 CN5.5 ; CN5.5 117.09,5.07 ; CN5.5 117.09,2.68 ; CN5.5 118.29,3.88 ; T20.1 77.34,3.25 ; T20.1 71.4,3.25 ; T20.1 74.37,6.22 ; 49.86,116.8 J18.14 ; J18.14 49.86,119.52 ; J18.14 51.22,118.16 ; 172.97,99.24 J8.2 ; J8.2 173.91,100.18 ; J8.2 172.97,101.12 ; J8.2 172.03,100.18 ; 53.13,116.8 J17.13 ; J17.13 51.78,118.16 ; J17.13 53.13,119.52 ; 142.72,61.05 U18.4 ; U18.4 142.72,62.93 ; U18.4 141.78,61.99 ; U18.4 143.66,61.99 ; CN1.5 85.19,5.07 ; CN1.5 84,3.88 ; CN1.5 85.19,2.68 ; CN1.5 86.39,3.88 ; J17.14 70.75,118.16 ; J17.14 69.39,119.52 ; J17.14 69.39,116.8 ; 171.58,123.75 T19.1 174.55,120.78 ; 2.72,100.28 J10.2 ; J10.2 3.66,101.22 ; J10.2 4.6,100.28 ; J10.2 3.66,99.34 ; 3.25,120.78 T17.1 6.22,123.75 ; 141.78,49.29 U18.14 ; U18.14 143.66,49.29 ; U18.14 142.72,48.35 ; U18.14 142.72,50.23 ; 132.94,107.72 U15.4 ; U15.4 132.94,109.6 ; U15.4 132,108.66 ; U15.4 133.88,108.66 ; 145.04,107.65 J16.2 ; J16.2 144.04,108.66 ; J16.2 145.04,109.66 ; J16.2 146.05,108.66 ; S1.1 172.88,40.29 ; S1.1 171.68,39.1 ; S1.1 171.68,41.49 ; S1.1 170.49,40.29 ; JP5.2 22.78,97.46 ; JP5.2 22.78,95.58 ; JP5.2 21.84,96.52 ; JP5.2 23.72,96.52 ; U14.4 157.18,64.13 ; U14.4 157.18,62.75 ; U14.4 157.87,63.44 ; U14.4 156.5,63.44 ; 174.55,6.22 T16.1 171.58,3.25 ; 90.19,15.06 J6.2 ; J6.2 89.25,16 ; J6.2 90.19,16.94 ; J6.2 91.13,16 ; 170.41,52.77 S2.1 ; S2.1 171.6,53.96 ; S2.1 172.8,52.77 ; S2.1 171.6,51.57 ; 3.25,6.22 T21.1 6.22,3.25 ; 142.72,50.89 U18.12 ; U18.12 142.72,52.77 ; U18.12 143.66,51.83 ; U18.12 141.78,51.83 ; 142.05,6.71 J2.3 ; J2.3 140.73,10.06 ; J2.3 143.37,10.06 ; J2.3 142.05,13.41